# KiCad board BYOM_Blank_panel.kicad_pcb (continued)
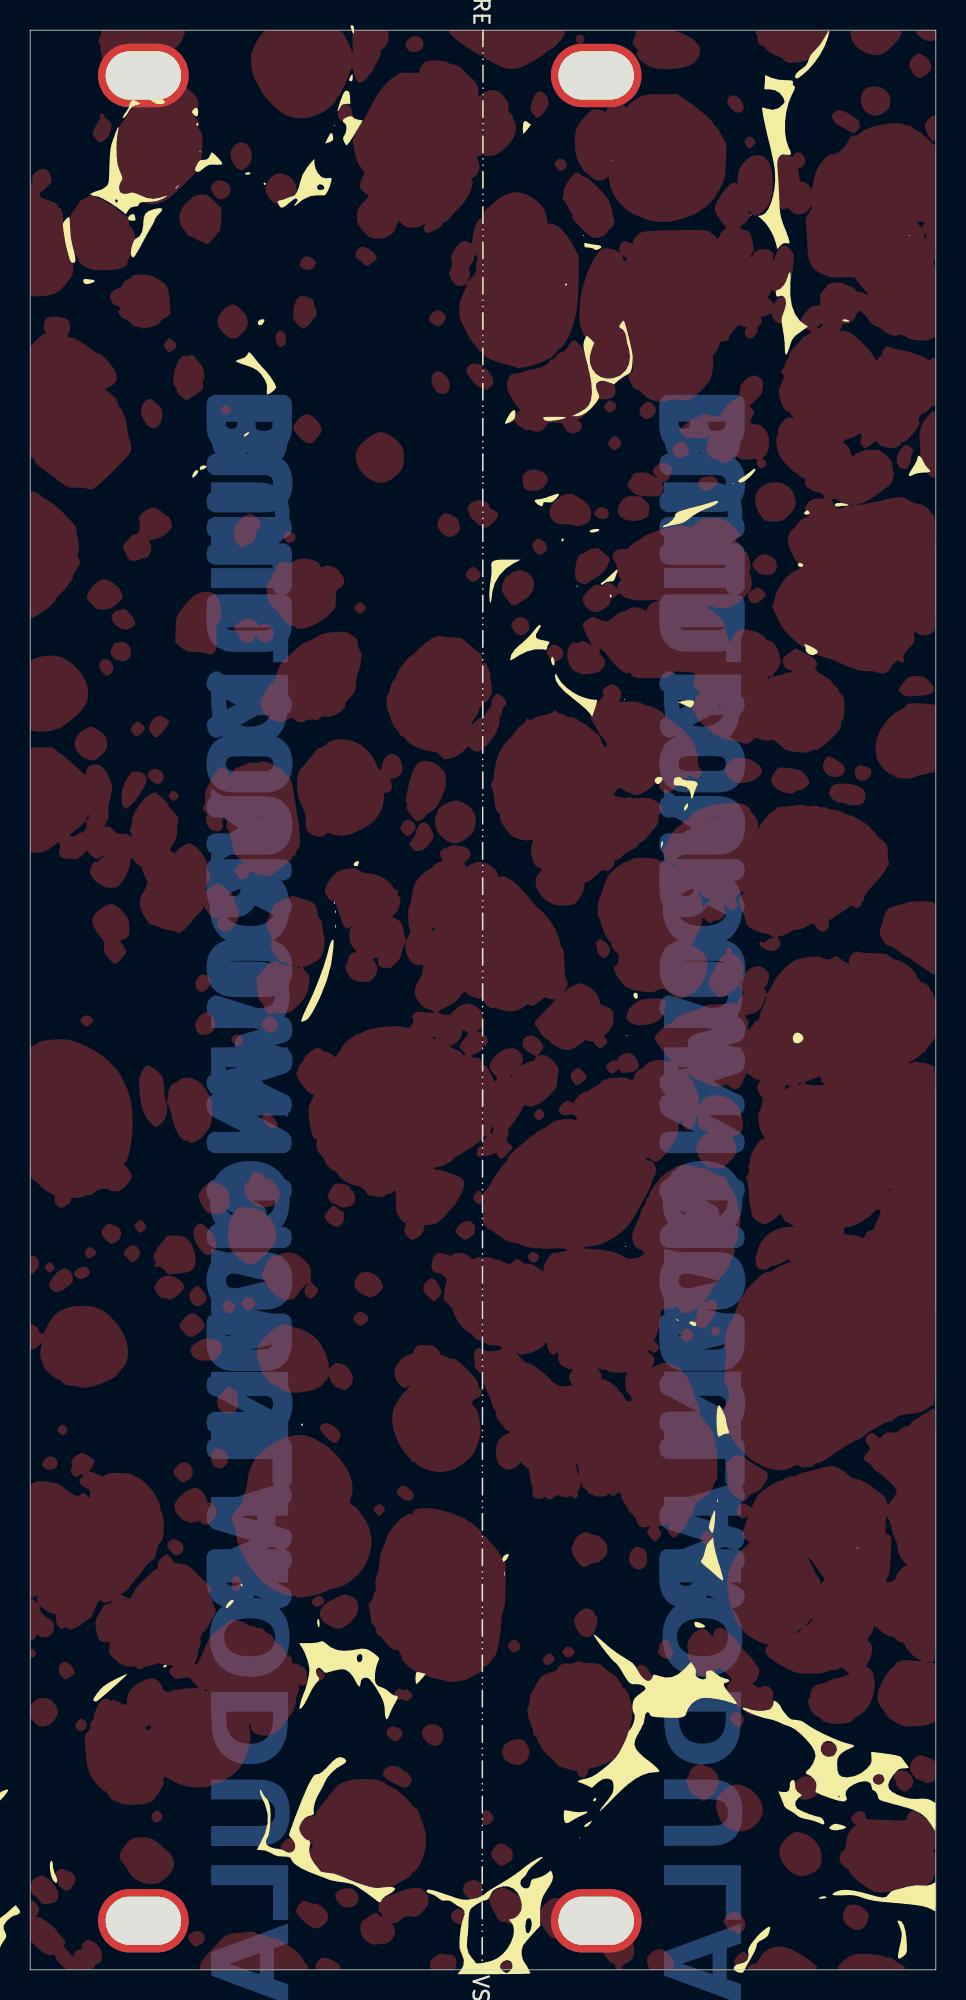
[diagram p0: board, top side]
## Copper pours and planes (outline as drawn; the poured copper is in the pictures) (continued)
Net-(H1-Pad1) on Top: 30.06,97.33 30.1,97.32 30.13,97.3 30.17,97.28 30.2,97.26 30.24,97.23 30.77,95.98 30.69,95.9 30.61,95.82 30.54,95.75 30.47,95.69 29.8,95.66 29.74,95.71 29.67,95.77 29.5,95.93 29.36,96.05 29.09,97.03 29.11,97.07 29.14,97.1 29.18,97.14 29.21,97.17 29.24,97.19
Net-(H1-Pad1) on Top: 32.66,92.69 32.72,92.67 32.79,92.64 32.86,92.61 32.92,92.57 32.98,92.53 33.04,92.48 33.09,92.43 33.14,92.38 33.19,92.32 33.23,92.26 33.27,92.2 33.37,91.81 33.37,91.73 33.36,91.64 33.35,91.55 33.32,91.47 33.3,91.39 33.26,91.31 33.22,91.23 33.17,91.15 33.11,91.08 33.05,91.02 32.99,90.95 32.91,90.9 32.83,90.84 32.35,90.5 32.31,90.48 32.28,90.45 32.24,90.43 31.7,90.65 31.65,90.73 31.59,90.8 31.53,90.89 31.47,90.97 31.3,91.27 31.28,91.31 31.26,91.35 31.25,91.39 31.25,91.42 31.26,91.65 31.28,91.72 31.3,91.79 31.32,91.86 31.34,91.93 31.37,92 31.39,92.06 31.42,92.11 31.45,92.17 31.48,92.21 31.51,92.26 31.54,92.29 31.57,92.33 31.6,92.35 31.94,92.59 31.99,92.61 32.04,92.63 32.09,92.65 32.14,92.67 32.19,92.68 32.25,92.7 32.3,92.71 32.36,92.72
Net-(H1-Pad1) on Top: 47.92,33.54 47.99,33.5 48.07,33.44 48.16,33.39 48.33,33.27 48.42,33.21 48.49,33.16 48.57,33.12 48.63,33.08 48.68,33.06 48.69,32.28 48.62,32.16 48.54,32.04 46.86,31.25 46.79,31.3 46.72,31.35 46.65,31.41 46.58,31.46 46.52,31.52 46.47,31.57 46.42,31.63 46.37,31.68 46.33,31.73 46.3,31.78 46.27,31.83 46.25,31.88 46.25,32.3 46.24,32.42 46.23,32.55 46.21,32.69 46.19,32.84 46.08,33.57 46.4,33.85
Net-(H1-Pad1) on Top: 15.92,56.67 16.06,56.52 16.17,56.39 15.61,56.03 15.56,56.07 15.53,56.12 15.49,56.16 15.46,56.21
Net-(H1-Pad1) on Top: outline of 84 points within 26.81,74.68 29.52,77.38
Net-(H1-Pad1) on Top: outline of 228 points within -1.1,98.07 6.69,109.53
Net-(H1-Pad1) on Top: outline of 192 points within 7.21,54.79 12.07,59.89

Small or netless copper shapes (teardrops, artwork), in the pictures only: 67 on Top

## Text on the board
Bottom: BUILD YOUR OWN MODULAR
B.Mask: BUILD YOUR OWN MODULAR
B.Silkscreen: CLACKTRONICS
Edge.Cuts: VSCORE
